# Altium PCB BE200.PcbDoc (part 2 of 6)
Units mm, origin at the board's own origin, x right, y up, seen from the top; angles counter-clockwise.
Board outline 91.25 x 134.75 mm, 4 copper layers (Top Layer, Mid-Top Layer, Mid-Bottom Layer, Bottom Layer); 574 components, 120 nets, 2403 pads, 3712 vias.
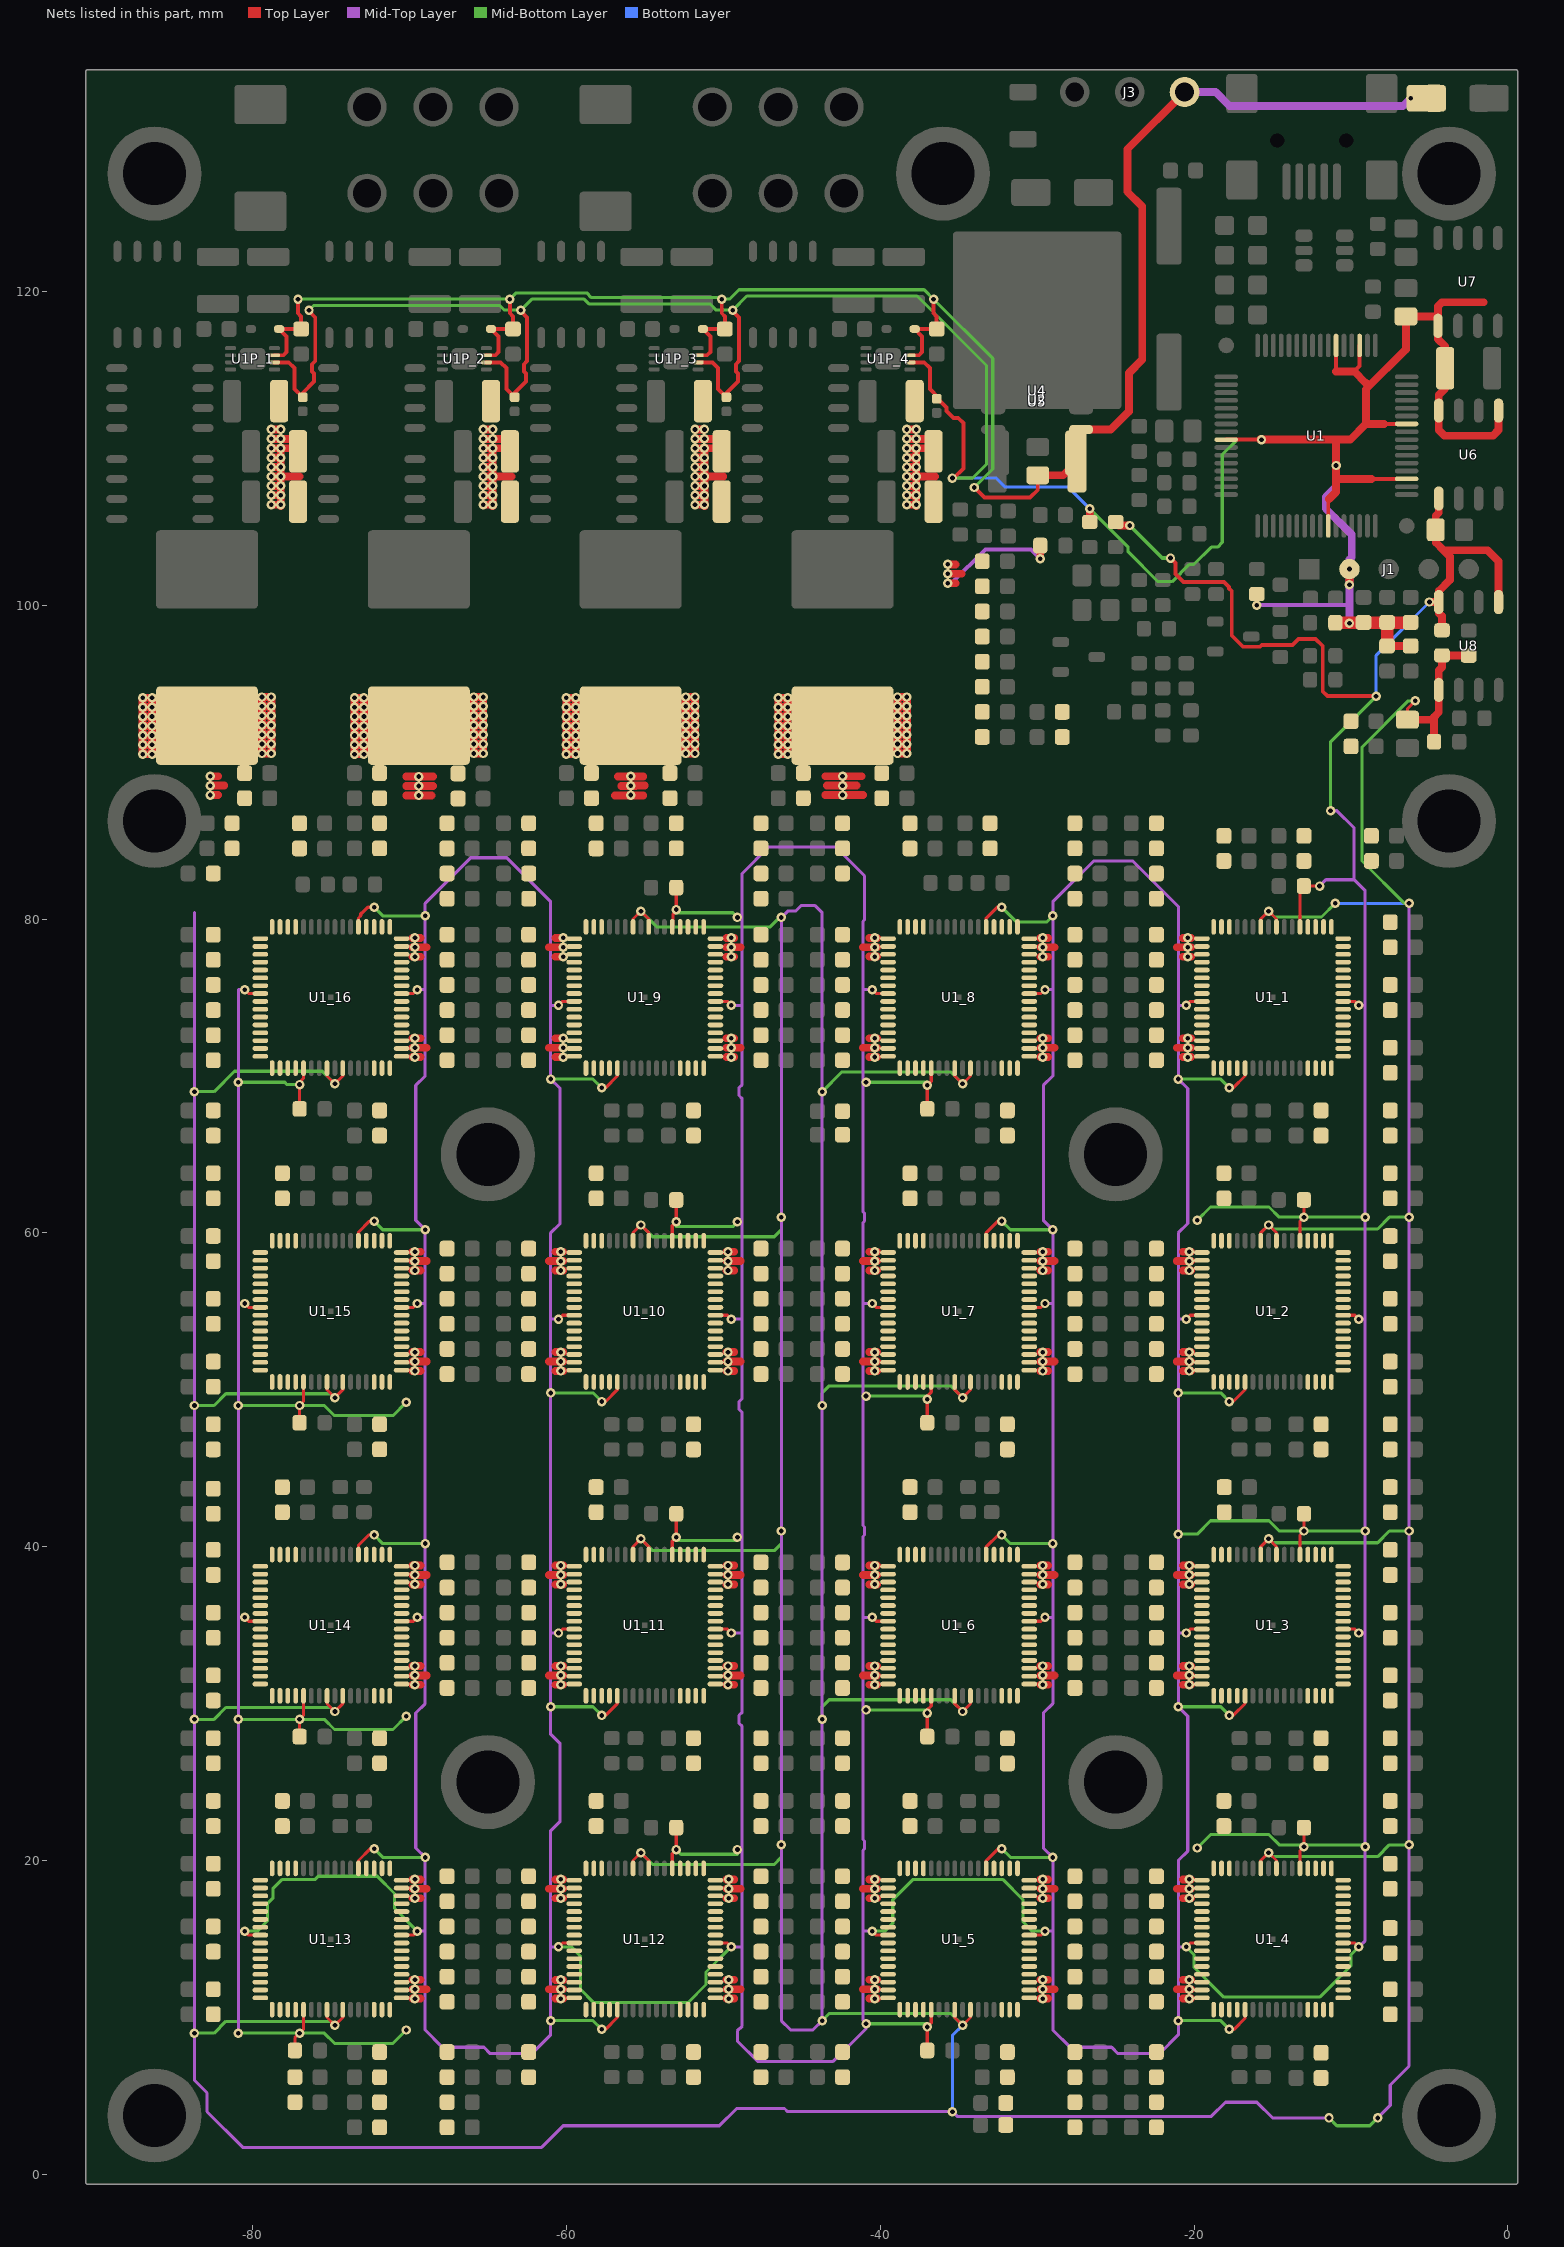
[diagram p4: the nets of this part, all layers, seen from the top]

## Part data
C1 C1P_1 C1P_2 C1P_3 C1P_4 C2 C2P_1 C2P_2 C2P_3 C2P_4 C3 C3P_1 C3P_2 C3P_3 C3P_4 C4 C7 C8 C9 C10 C11 C12 C13 C14 C15 C17 C25 C26: library part CAP, "Capacitor"
C1_1 C1_2 C1_3 C1_4 C1_5 C1_6 C1_7 C1_8 C1_9 C1_10 C1_11 C1_12 C1_13 C1_14 C1_15 C1_16 C2_1 C2_2 C2_3 C2_4 C2_5 C2_6 C2_7 C2_8 C2_9 C2_10 C2_11 C2_12 C2_13 C2_14 C2_15 C2_16 C3_1 C3_2 C3_3 C3_4 C3_5 C3_6 C3_7 C3_8 C3_9 C3_10 C3_11 C3_12 C3_13 C3_14 C3_15 C3_16 C4_1 C4_2 C4_3 C4_4 C4_5 C4_6 C4_7 C4_8 C4_9 C4_10 C4_11 C4_12 C4_13 C4_14 C4_15 C4_16 C5_1 C5_2 C5_3 C5_4 C5_5 C5_6 C5_7 C5_8 C5_9 C5_10 C5_11 C5_12 C5_13 C5_14 C5_15 C5_16 C6_1 C6_2 C6_3 C6_4 C6_5 C6_6 C6_7 C6_8 C6_9 C6_10 C6_11 C6_12 C6_13 C6_14 C6_15 C6_16 C7_1 C7_2 C7_3 C7_4 C7_5 C7_6 C7_7 C7_8 C7_9 C7_10 C7_11 C7_12 C7_13 C7_14 C7_15 C7_16 C8_1 C8_2 C8_3 C8_4 C8_5 C8_6 C8_7 C8_8 C8_9 C8_10 C8_11 C8_12 C8_13 C8_14 C8_15 C8_16 C9_1 C9_2 C9_3 C9_4 C9_5 C9_6 C9_7 C9_8 C9_9 C9_10 C9_11 C9_12 C9_13 C9_14 C9_15 C9_16 C10_1 C10_2 C10_3 C10_4 C10_5 C10_6 C10_7 C10_8 C10_9 C10_10 C10_11 C10_12 C10_13 C10_14 C10_15 C10_16 C11_1 C11_2 C11_3 C11_4 C11_5 C11_6 C11_7 C11_8 C11_9 C11_10 C11_11 C11_12 C11_13 C11_14 C11_15 C11_16 C12_1 C12_2 C12_3 C12_4 C12_5 C12_6 C12_7 C12_8 C12_9 C12_10 C12_11 C12_12 C12_13 C12_14 C12_15 C12_16 C13_1 C13_2 C13_3 C13_4 C13_5 C13_6 C13_7 C13_8 C13_9 C13_10 C13_11 C13_12 C13_13 C13_14 C13_15 C13_16 C14_1 C14_2 C14_3 C14_4 C14_5 C14_6 C14_7 C14_8 C14_9 C14_10 C14_11 C14_12 C14_13 C14_14 C14_15 C14_16 C15_1 C15_2 C15_3 C15_4 C15_5 C15_6 C15_7 C15_8 C15_9 C15_10 C15_11 C15_12 C15_13 C15_14 C15_15 C15_16 C16_1 C16_2 C16_3 C16_4 C16_5 C16_6 C16_7 C16_8 C16_9 C16_10 C16_11 C16_12 C16_13 C16_14 C16_15 C16_16 CPP_1 CPP_2 CPP_3 CPP_4 CPP_5 CPP_6 CPP_7 CPP_8 CPP_9 CPP_10 CPP_11 CPP_12 CPP_13 CPP_14 CPP_15 CPP_16 CPP_17 CPP_18 CPP_19 CPP_20 CPP_21 CPP_22 CPP_23 CPP_24 CPP_25 CPP_26 CPP_27 CPP_28 CPP_29 CPP_30 CPP_31 CPP_32 CPP_33 CPP_34 CPP_35 CPP_36 CPP_37 CPP_38 CPP_39 CPP_40 CPP_41 CPP_42 CPP_43 CPP_44 CPP_45 CPP_46 CPP_47 CPP_48 CPP_49 CPP_50 CPP_51 CPP_52 CPP_53 CPP_54 CPP_55 CPP_56 CPP_57 CPP_58 CPP_59 CPP_60 CPP_61 CPP_62 CPP_63 CPP_64 CPP_65 CPP_66 CPP_67 CPP_68 CPP_69 CPP_70 CPP_71 CPP_72 CPP_73 CPP_74 CPP_75 CPP_76 CPP_77 CPP_78 CPP_79 CPP_80 CPP_81 CPP_82 CPP_83 CPP_84 CPP_85 CPP_86 CPP_87 CPP_88 CPP_89 CPP_90 CPP_91 CPP_92 CPP_93 CPP_94 CPP_95 CPP_96 CPP_97 CPP_98 CPP_99 CPP_100 CPP_101 CPP_102 CPP_103 CPP_104 CPP_105 CPP_106 CPP_107 CPP_108 CPP_109 CPP_110 CPP_111 CPP_112 CPP_113 CPP_114 CPP_115 CPP_116 CPP_117 CPP_118 CPP_119 CPP_120: library part "Cap Semi", "Capacitor (Semiconductor SIM Model)"
C4P_1 C4P_2 C4P_3 C4P_4 C5P_1 C5P_2 C5P_3 C5P_4 C6P_1 C6P_2 C6P_3 C6P_4 C7P_1 C7P_2 C7P_3 C7P_4 C8P_1 C8P_2 C8P_3 C8P_4 C16: library part "Cap Semi", "CL32A227MQVNNNE 220UF 6.3V 20% X5R 1210"
D1 D2 D3 D4: library part LED_2
D1P_1 D1P_2 D1P_3 D1P_4: library part DDE000001203
D5: library part D_TVS_QUAD_C1AA2AA5C3C4C6, "4 IO lines TVS"
D6 D10: library part DDE000001725
D7 D8 D9: library part D_STKY
J1: library part CON5, "Connector"
J2: library part CON_USB_MINI_1
J4 J5: library part CON000000279
L1P_1 L1P_2 L1P_3 L1P_4: library part L
Q1 Q2: library part BJT_NPN_B1E2C3
Q1P_1 Q1P_2 Q1P_3 Q1P_4 Q2P_1 Q2P_2 Q2P_3 Q2P_4 Q3P_1 Q3P_2 Q3P_3 Q3P_4: library part MOS_N_D1_S1S2S3G4D5D6D7D8
R1 R1_1 R1_2 R1_3 R1_4 R1_5 R1_6 R1_7 R1_8 R1_9 R1_10 R1_11 R1_12 R1_13 R1_14 R1_15 R1_16 R2 R3 R4 R5 R6 R7 R8 R9 R10 R11 R12 R13 R14 R15 R16 R17 R18 R19 R20 R21 R22 R23 R24 R25 R26 R27 R28 R29 R30 R31 R32 R33 R34 R35 R36 R37 R38 R39 R40 R41 R42 R43 R44 R45 R46 R47 R48 R49 R50 R51 R52 R53 R54 R55 R56 R57 R58 R59 R60 R61 R62 R63 R64 R65 R66 R67: library part Res3, "Resistor"
U1P_1 U1P_2 U1P_3 U1P_4: library part DRVFET_LTC4442, "Mosfet 12V Dual Bootstrapped PWM Sync Buck Optimised"
U2 U6 U7: library part IC_LM2931AD-5.0R2G_SO-8
U4 U5: library part IC_Vout1GND2Vin3
U8: library part PSU000000128
Y1: library part CRYSTAL, "Crystal"
YO4_1: library part XTAL_OE1GND2OSC3VDD4

## Free pads (board coordinates)
  round 6 / inner round 4.5 / far side round 6 hole 4: 0(-86.25,3.75) 0(-86.25,86.25) 0(-86.25,127.5) 0(-65,25) 0(-65,65) 0(-36,127.5) 0(-25,25) 0(-25,65) 0(-3.75,127.5) 0(-3.75,3.75) 0(-3.75,86.25)
  round 1 on Mid2: 0(-75,15) 0(-75,35) 0(-75,55) 0(-75,75) 0(-55,15) 0(-55,35) 0(-55,55) 0(-55,75) 0(-35,15) 0(-35,35) 0(-35,55) 0(-35,75) 0(-15,15) 0(-15,35) 0(-15,55) 0(-15,75)
  round 0.6 smd: 0(-3.75,127.5)

## Via types
v1: diameter 0.6, hole 0.3, Top Layer to Bottom Layer, tented both sides, 3679 vias
v2: diameter 0.6/0.6/0.6/0.6 (per signal layer), hole 0.3, Top Layer to Bottom Layer, 33 vias

## Nets (pads, with @x,y where several pads share a name; then routed paths per layer and width w, separated by ;. In a path a pad name is that pad's centre, name@x,y a point inside that pad or via, vN(x,y) a via of type N, cw(c..) or ccw(c..) an arc to the next point about the centre after c; other vN are vias at no path point)
0.8V: C1_1.2 C1_2.2 C1_3.2 C1_4.2 C1_5.2 C1_6.2 C1_7.2 C1_8.2 C1_9.2 C1_10.2 C1_11.2 C1_12.2 C1_13.2 C1_14.2 C1_15.2 C1_16.2 C2_1.2 C2_2.2 C2_3.2 C2_4.2 C2_5.2 C2_6.2 C2_7.2 C2_8.2 C2_9.2 C2_10.2 C2_11.2 C2_12.2 C2_13.2 C2_14.2 C2_15.2 C2_16.2 C3_1.2 C3_2.2 C3_3.2 C3_4.2 C3_5.2 C3_6.2 C3_7.2 C3_8.2 C3_9.2 C3_10.2 C3_11.2 C3_12.2 C3_13.2 C3_14.2 C3_15.2 C3_16.2 C4_1.2 C4_2.2 C4_3.2 C4_4.2 C4_5.2 C4_6.2 C4_7.2 C4_8.2 C4_9.2 C4_10.2 C4_11.2 C4_12.2 C4_13.2 C4_14.2 C4_15.2 C4_16.2 C5_1.2 C5_2.2 C5_3.2 C5_4.2 C5_5.2 C5_6.2 C5_7.2 C5_8.2 C5_9.2 C5_10.2 C5_11.2 C5_12.2 C5_13.2 C5_14.2 C5_15.2 C5_16.2 C6_1.2 C6_2.2 C6_3.2 C6_4.2 C6_5.2 C6_6.2 C6_7.2 C6_8.2 C6_9.2 C6_10.2 C6_11.2 C6_12.2 C6_13.2 C6_14.2 C6_15.2 C6_16.2 C6P_1.1 C6P_2.1 C6P_3.1 C6P_4.1 C7_1.2 C7_2.2 C7_3.2 C7_4.2 C7_5.2 C7_6.2 C7_7.2 C7_8.2 C7_9.2 C7_10.2 C7_11.2 C7_12.2 C7_13.2 C7_14.2 C7_15.2 C7_16.2 C7P_1.1 C7P_2.1 C7P_3.1 C7P_4.1 C8_1.2 C8_2.2 C8_3.2 C8_4.2 C8_5.2 C8_6.2 C8_7.2 C8_8.2 C8_9.2 C8_10.2 C8_11.2 C8_12.2 C8_13.2 C8_14.2 C8_15.2 C8_16.2 C8P_1.1 C8P_2.1 C8P_3.1 C8P_4.1 C9_1.2 C9_2.2 C9_3.2 C9_4.2 C9_5.2 C9_6.2 C9_7.2 C9_8.2 C9_9.2 C9_10.2 C9_11.2 C9_12.2 C9_13.2 C9_14.2 C9_15.2 C9_16.2 C10_1.2 C10_2.2 C10_3.2 C10_4.2 C10_5.2 C10_6.2 C10_7.2 C10_8.2 C10_9.2 C10_10.2 C10_11.2 C10_12.2 C10_13.2 C10_14.2 C10_15.2 C10_16.2 C11_1.2 C11_2.2 C11_3.2 C11_4.2 C11_5.2 C11_6.2 C11_7.2 C11_8.2 C11_9.2 C11_10.2 C11_11.2 C11_12.2 C11_13.2 C11_14.2 C11_15.2 C11_16.2 C12_1.2 C12_2.2 C12_3.2 C12_4.2 C12_5.2 C12_6.2 C12_7.2 C12_8.2 C12_9.2 C12_10.2 C12_11.2 C12_12.2 C12_13.2 C12_14.2 C12_15.2 C12_16.2 C13_1.2 C13_2.2 C13_3.2 C13_4.2 C13_5.2 C13_6.2 C13_7.2 C13_8.2 C13_9.2 C13_10.2 C13_11.2 C13_12.2 C13_13.2 C13_14.2 C13_15.2 C13_16.2 C14_1.2 C14_2.2 C14_3.2 C14_4.2 C14_5.2 C14_6.2 C14_7.2 C14_8.2 C14_9.2 C14_10.2 C14_11.2 C14_12.2 C14_13.2 C14_14.2 C14_15.2 C14_16.2 C15_1.2 C15_2.2 C15_3.2 C15_4.2 C15_5.2 C15_6.2 C15_7.2 C15_8.2 C15_9.2 C15_10.2 C15_11.2 C15_12.2 C15_13.2 C15_14.2 C15_15.2 C15_16.2 C16_1.2 C16_2.2 C16_3.2 C16_4.2 C16_5.2 C16_6.2 C16_7.2 C16_8.2 C16_9.2 C16_10.2 C16_11.2 C16_12.2 C16_13.2 C16_14.2 C16_15.2 C16_16.2 CPP_1.2 CPP_2.2 CPP_3.2 CPP_4.2 CPP_5.2 CPP_6.2 CPP_7.2 CPP_8.2 CPP_9.2 CPP_10.2 CPP_11.2 CPP_12.2 CPP_13.2 CPP_14.2 CPP_15.2 CPP_16.2 CPP_17.2 CPP_18.2 CPP_19.2 CPP_20.2 CPP_21.2 CPP_22.2 CPP_23.2 CPP_24.2 CPP_25.2 CPP_26.2 CPP_27.2 CPP_28.2 CPP_29.2 CPP_30.2 CPP_31.2 CPP_32.2 CPP_33.2 CPP_34.2 CPP_35.2 CPP_36.2 CPP_37.2 CPP_38.2 CPP_39.2 CPP_40.2 CPP_41.2 CPP_42.2 CPP_43.2 CPP_44.2 CPP_45.2 CPP_46.2 CPP_47.2 CPP_48.2 CPP_49.2 CPP_50.2 CPP_51.2 CPP_52.2 CPP_53.2 CPP_54.2 CPP_55.2 CPP_56.2 CPP_57.2 CPP_58.2 CPP_59.2 CPP_60.2 CPP_61.2 CPP_62.2 CPP_63.2 CPP_64.2 CPP_65.2 CPP_66.2 CPP_67.2 CPP_68.2 CPP_69.2 CPP_70.2 CPP_71.2 CPP_72.2 CPP_73.2 CPP_74.2 CPP_75.2 CPP_76.2 CPP_77.2 CPP_78.2 CPP_79.2 CPP_80.2 CPP_81.2 CPP_82.2 CPP_83.2 CPP_84.2 CPP_85.2 CPP_86.2 CPP_87.2 CPP_88.2 CPP_89.2 CPP_90.2 CPP_91.2 CPP_92.2 CPP_93.2 CPP_94.2 CPP_95.2 CPP_96.2 CPP_97.2 CPP_98.2 CPP_99.2 CPP_100.2 CPP_101.2 CPP_102.2 CPP_103.2 CPP_104.2 CPP_105.2 CPP_106.2 CPP_107.2 CPP_108.2 CPP_109.2 CPP_110.2 CPP_111.2 CPP_112.2 CPP_113.2 CPP_114.2 CPP_115.2 CPP_116.2 CPP_117.2 CPP_118.2 CPP_119.2 CPP_120.2 L1P_1.2 L1P_2.2 L1P_3.2 L1P_4.2 R18.2 U1_1.1 U1_1.2 U1_1.3 U1_1.4 U1_1.14 U1_1.15 U1_1.16 U1_1.17 U1_1.18 U1_1.19 U1_1.20 U1_1.21 U1_1.22 U1_1.23 U1_1.24 U1_1.26 U1_1.27 U1_1.28 U1_1.29 U1_1.30 U1_1.31 U1_1.32 U1_1.33 U1_1.34 U1_1.35 U1_1.36 U1_1.45 U1_1.46 U1_1.47 U1_1.48 U1_1.49 U1_1.50 U1_1.51 U1_1.52 U1_1.53 U1_1.54 U1_1.55 U1_1.57 U1_1.58 U1_1.59 U1_1.60 U1_1.61 U1_1.62 U1_1.63 U1_1.64 U1_2.1 U1_2.2 U1_2.3 U1_2.4 U1_2.14 U1_2.15 U1_2.16 U1_2.17 U1_2.18 U1_2.19 U1_2.20 U1_2.21 U1_2.22 U1_2.23 U1_2.24 U1_2.26 U1_2.27 U1_2.28 U1_2.29 U1_2.30 U1_2.31 U1_2.32 U1_2.33 U1_2.34 U1_2.35 U1_2.36 U1_2.45 U1_2.46 U1_2.47 U1_2.48 U1_2.49 U1_2.50 U1_2.51 U1_2.52 U1_2.53 U1_2.54 U1_2.55 U1_2.57 U1_2.58 U1_2.59 U1_2.60 U1_2.61 U1_2.62 U1_2.63 U1_2.64 U1_3.1 U1_3.2 U1_3.3 U1_3.4 U1_3.14 U1_3.15 U1_3.16 U1_3.17 U1_3.18 U1_3.19 U1_3.20 U1_3.21 U1_3.22 U1_3.23 U1_3.24 U1_3.26 U1_3.27 U1_3.28 U1_3.29 U1_3.30 U1_3.31 U1_3.32 U1_3.33 U1_3.34 U1_3.35 U1_3.36 U1_3.45 U1_3.46 U1_3.47 U1_3.48 U1_3.49 U1_3.50 U1_3.51 U1_3.52 U1_3.53 U1_3.54 U1_3.55 U1_3.57 U1_3.58 U1_3.59 U1_3.60 U1_3.61 U1_3.62 U1_3.63 U1_3.64 U1_4.1 U1_4.2 U1_4.3 U1_4.4 U1_4.14 U1_4.15 U1_4.16 U1_4.17 U1_4.18 U1_4.19 U1_4.20 U1_4.21 U1_4.22 U1_4.23 U1_4.24 U1_4.26 U1_4.27 U1_4.28 U1_4.29 U1_4.30 U1_4.31 U1_4.32 U1_4.33 U1_4.34 U1_4.35 U1_4.36 U1_4.45 U1_4.46 U1_4.47 U1_4.48 U1_4.49 U1_4.50 U1_4.51 U1_4.52 U1_4.53 U1_4.54 U1_4.55 U1_4.57 U1_4.58 U1_4.59 U1_4.60 U1_4.61 U1_4.62 U1_4.63 U1_4.64 U1_5.1 U1_5.2 U1_5.3 U1_5.4 U1_5.14 U1_5.15 U1_5.16 U1_5.17 U1_5.18 U1_5.19 U1_5.20 U1_5.21 U1_5.22 U1_5.23 U1_5.24 U1_5.26 U1_5.27 U1_5.28 U1_5.29 U1_5.30 U1_5.31 U1_5.32 U1_5.33 U1_5.34 U1_5.35 U1_5.36 U1_5.45 U1_5.46 U1_5.47 U1_5.48 U1_5.49 U1_5.50 U1_5.51 U1_5.52 U1_5.53 U1_5.54 U1_5.55 U1_5.57 U1_5.58 U1_5.59 U1_5.60 U1_5.61 U1_5.62 U1_5.63 U1_5.64 U1_6.1 U1_6.2 U1_6.3 U1_6.4 U1_6.14 U1_6.15 U1_6.16 U1_6.17 U1_6.18 U1_6.19 U1_6.20 U1_6.21 U1_6.22 U1_6.23 U1_6.24 U1_6.26 U1_6.27 U1_6.28 U1_6.29 U1_6.30 U1_6.31 U1_6.32 U1_6.33 U1_6.34 U1_6.35 U1_6.36 U1_6.45 U1_6.46 U1_6.47 U1_6.48 U1_6.49 U1_6.50 U1_6.51 U1_6.52 U1_6.53 U1_6.54 U1_6.55 U1_6.57 U1_6.58 U1_6.59 U1_6.60 U1_6.61 U1_6.62 U1_6.63 U1_6.64 U1_7.1 U1_7.2 U1_7.3 U1_7.4 U1_7.14 U1_7.15 U1_7.16 U1_7.17 U1_7.18 U1_7.19 U1_7.20 U1_7.21 U1_7.22 U1_7.23 U1_7.24 U1_7.26 U1_7.27 U1_7.28 U1_7.29 U1_7.30 U1_7.31 U1_7.32 U1_7.33 U1_7.34 U1_7.35 U1_7.36 U1_7.45 U1_7.46 U1_7.47 U1_7.48 U1_7.49 U1_7.50 U1_7.51 U1_7.52 U1_7.53 U1_7.54 U1_7.55 U1_7.57 U1_7.58 U1_7.59 U1_7.60 U1_7.61 U1_7.62 U1_7.63 U1_7.64 U1_8.1 U1_8.2 U1_8.3 U1_8.4 U1_8.14 U1_8.15 U1_8.16 U1_8.17 U1_8.18 U1_8.19 U1_8.20 U1_8.21 U1_8.22 U1_8.23 U1_8.24 U1_8.26 U1_8.27 U1_8.28 U1_8.29 U1_8.30 U1_8.31 U1_8.32 U1_8.33 U1_8.34 U1_8.35 U1_8.36 U1_8.45 U1_8.46 U1_8.47 U1_8.48 U1_8.49 U1_8.50 U1_8.51 U1_8.52 U1_8.53 U1_8.54 U1_8.55 U1_8.57 U1_8.58 U1_8.59 U1_8.60 U1_8.61 U1_8.62 U1_8.63 U1_8.64 U1_9.1 U1_9.2 U1_9.3 U1_9.4 U1_9.14 U1_9.15 U1_9.16 U1_9.17 U1_9.18 U1_9.19 U1_9.20 U1_9.21 U1_9.22 U1_9.23 U1_9.24 U1_9.26 U1_9.27 U1_9.28 U1_9.29 U1_9.30 U1_9.31 U1_9.32 U1_9.33 U1_9.34 U1_9.35 U1_9.36 U1_9.45 U1_9.46 U1_9.47 U1_9.48 U1_9.49 U1_9.50 U1_9.51 U1_9.52 U1_9.53 U1_9.54 U1_9.55 U1_9.57 U1_9.58 U1_9.59 U1_9.60 U1_9.61 U1_9.62 U1_9.63 U1_9.64 U1_10.1 U1_10.2 U1_10.3 U1_10.4 U1_10.14 U1_10.15 U1_10.16 U1_10.17 U1_10.18 U1_10.19 U1_10.20 U1_10.21 U1_10.22 U1_10.23 U1_10.24 U1_10.26 U1_10.27 U1_10.28 U1_10.29 U1_10.30 U1_10.31 U1_10.32 U1_10.33 U1_10.34 U1_10.35 U1_10.36 U1_10.45 U1_10.46 U1_10.47 U1_10.48 U1_10.49 U1_10.50 U1_10.51 U1_10.52 U1_10.53 U1_10.54 U1_10.55 U1_10.57 U1_10.58 U1_10.59 U1_10.60 U1_10.61 U1_10.62 U1_10.63 U1_10.64 U1_11.1 U1_11.2 U1_11.3 U1_11.4 U1_11.14 U1_11.15 U1_11.16 U1_11.17 U1_11.18 U1_11.19 U1_11.20 U1_11.21 U1_11.22 U1_11.23 U1_11.24 U1_11.26 U1_11.27 U1_11.28 U1_11.29 U1_11.30 U1_11.31 U1_11.32 U1_11.33 U1_11.34 U1_11.35 U1_11.36 U1_11.45 U1_11.46 U1_11.47 U1_11.48 U1_11.49 U1_11.50 U1_11.51 U1_11.52 U1_11.53 U1_11.54 U1_11.55 U1_11.57 U1_11.58 U1_11.59 U1_11.60 U1_11.61 U1_11.62 U1_11.63 U1_11.64 U1_12.1 U1_12.2 U1_12.3 U1_12.4 U1_12.14 U1_12.15 U1_12.16 U1_12.17 U1_12.18 U1_12.19 U1_12.20 U1_12.21 U1_12.22 U1_12.23 U1_12.24 U1_12.26 U1_12.27 U1_12.28 U1_12.29 U1_12.30 U1_12.31 U1_12.32 U1_12.33 U1_12.34 U1_12.35 U1_12.36 U1_12.45 U1_12.46 U1_12.47 U1_12.48 U1_12.49 U1_12.50 U1_12.51 U1_12.52 U1_12.53 U1_12.54 U1_12.55 U1_12.57 U1_12.58 U1_12.59 U1_12.60 U1_12.61 U1_12.62 U1_12.63 U1_12.64 U1_13.1 U1_13.2 U1_13.3 U1_13.4 U1_13.14 U1_13.15 U1_13.16 U1_13.17 U1_13.18 U1_13.19 U1_13.20 U1_13.21 U1_13.22 U1_13.23 U1_13.24 U1_13.26 U1_13.27 U1_13.28 U1_13.29 U1_13.30 U1_13.31 U1_13.32 U1_13.33 U1_13.34 U1_13.35 U1_13.36 U1_13.45 U1_13.46 U1_13.47 U1_13.48 U1_13.49 U1_13.50 U1_13.51 U1_13.52 U1_13.53 U1_13.54 U1_13.55 U1_13.57 U1_13.58 U1_13.59 U1_13.60 U1_13.61 U1_13.62 U1_13.63 U1_13.64 U1_14.1 U1_14.2 U1_14.3 U1_14.4 U1_14.14 U1_14.15 U1_14.16 U1_14.17 U1_14.18 U1_14.19 U1_14.20 U1_14.21 U1_14.22 U1_14.23 U1_14.24 U1_14.26 U1_14.27 U1_14.28 U1_14.29 U1_14.30 U1_14.31 U1_14.32 U1_14.33 U1_14.34 U1_14.35 U1_14.36 U1_14.45 U1_14.46 U1_14.47 U1_14.48 U1_14.49 U1_14.50 U1_14.51 U1_14.52 U1_14.53 U1_14.54 U1_14.55 U1_14.57 U1_14.58 U1_14.59 U1_14.60 U1_14.61 U1_14.62 U1_14.63 U1_14.64 U1_15.1 U1_15.2 U1_15.3 U1_15.4 U1_15.14 U1_15.15 U1_15.16 U1_15.17 U1_15.18 U1_15.19 U1_15.20 U1_15.21 U1_15.22 U1_15.23 U1_15.24 U1_15.26 U1_15.27 U1_15.28 U1_15.29 U1_15.30 U1_15.31 U1_15.32 U1_15.33 U1_15.34 U1_15.35 U1_15.36 U1_15.45 U1_15.46 U1_15.47 U1_15.48 U1_15.49 U1_15.50 U1_15.51 U1_15.52 U1_15.53 U1_15.54 U1_15.55 U1_15.57 U1_15.58 U1_15.59 U1_15.60 U1_15.61 U1_15.62 U1_15.63 U1_15.64 U1_16.1 U1_16.2 U1_16.3 U1_16.4 U1_16.14 U1_16.15 U1_16.16 U1_16.17 U1_16.18 U1_16.19 U1_16.20 U1_16.21 U1_16.22 U1_16.23 U1_16.24 U1_16.26 U1_16.27 U1_16.28 U1_16.29 U1_16.30 U1_16.31 U1_16.32 U1_16.33 U1_16.34 U1_16.35 U1_16.36 U1_16.45 U1_16.46 U1_16.47 U1_16.48 U1_16.49 U1_16.50 U1_16.51 U1_16.52 U1_16.53 U1_16.54 U1_16.55 U1_16.57 U1_16.58 U1_16.59 U1_16.60 U1_16.61 U1_16.62 U1_16.63 U1_16.64 | length 312.2
  Top Layer w0.2: v1(-86.4,94.1) -85.8,93.5 -84.625,92.325 L1P_1.2@-82.9,92.325 -81.175,92.325 -80,91.15 v1(-79.4,90.55) ; v1(-72.9,94.1) -72.3,93.5 -71.125,92.325 L1P_2.2@-69.4,92.325 -67.675,92.325 -66.5,91.15 v1(-65.9,90.55) ; v1(-59.4,94.1) -58.8,93.5 -57.625,92.325 L1P_3.2@-55.9,92.325 -54.175,92.325 -53,91.15 v1(-52.4,90.55) ; v1(-45.9,94.1) -45.3,93.5 -44.125,92.325 L1P_4.2@-42.4,92.325 -40.675,92.325 -39.5,91.15 v1(-38.9,90.55)
  Top Layer w0.5: v1(-87,91.1) v1(-86.4,91.1) L1P_1.2@-85.4,91.1 ; v1(-87,91.7) v1(-86.4,91.7) ; v1(-87,92.3) v1(-86.4,92.3) ; v1(-87,92.9) v1(-86.4,92.9) ; v1(-87,93.5) v1(-86.4,93.5) ; L1P_1.2@-85.2,93.5 -85.8,93.5 v1(-86.4,93.5) ; v1(-82.7,87.9) -82.2,87.9 ; v1(-82.7,88.5) -81.8,88.5 ; v1(-82.7,89.1) -82.2,89.1 ; L1P_1.2@-80.6,91.15 -80,91.15 v1(-79.4,91.15) ; L1P_1.2@-80.4,93.55 v1(-79.4,93.55) v1(-78.8,93.55) ; v1(-78.8,91.15) v1(-79.4,91.15) ; v1(-78.8,91.75) v1(-79.4,91.75) ; v1(-78.8,92.35) v1(-79.4,92.35) ; v1(-78.8,92.95) v1(-79.4,92.95) ; v1(-78.8,106.4) v1(-78.2,106.4) ; v1(-78.8,107) v1(-78.2,107) ; v1(-78.8,107.6) v1(-78.2,107.6) ; v1(-78.8,108.2) -77,108.2 ; v1(-78.8,108.8) v1(-78.2,108.8) ; v1(-78.8,109.4) v1(-78.2,109.4) ; v1(-78.8,110) v1(-78.2,110) ; v1(-78.8,110.6) C6P_1.1@-77,110.6 ; v1(-78.8,111.2) v1(-78.2,111.2) ; v1@-78.2,106.3 v1(-78.2,110) ; C6P_1.1@-77.2,110 v1(-78.2,110) ; v1(-73.5,91.1) v1(-72.9,91.1) L1P_2.2@-71.9,91.1 ; v1(-73.5,91.7) v1(-72.9,91.7) ; v1(-73.5,92.3) v1(-72.9,92.3) ; v1(-73.5,92.9) v1(-72.9,92.9) ; v1(-73.5,93.5) v1(-72.9,93.5) ; L1P_2.2@-71.7,93.5 -72.3,93.5 v1(-72.9,93.5) ; -70.2,87.877 -68.6,87.877 ; -70.2,88.477 v1(-69.4,88.477) -68.5,88.477 ; -70.2,89.077 -68.5,89.077 ; v1@-69.8,11.2 -69.3,11.2 ; v1@-69.8,11.8 -68.9,11.8 ; v1@-69.8,12.4 -69.3,12.4 ; v1@-69.8,17.6 -69.3,17.6 ; v1@-69.8,18.2 -68.9,18.2 ; v1@-69.8,18.8 -69.3,18.8 ; v1@-69.8,31.2 -69.3,31.2 ; v1@-69.8,31.8 -68.9,31.8 ; v1@-69.8,32.4 -69.3,32.4 ; v1@-69.8,37.6 -69.3,37.6 ; v1@-69.8,38.2 -68.9,38.2 ; v1@-69.8,38.8 -69.3,38.8 ; v1@-69.8,51.2 -69.3,51.2 ; v1@-69.8,51.8 -68.9,51.8 ; v1@-69.8,52.4 -69.3,52.4 ; v1@-69.8,57.6 -69.3,57.6 ; v1@-69.8,58.2 -68.9,58.2 ; v1@-69.8,58.8 -69.3,58.8 ; v1@-69.8,71.2 -69.3,71.2 ; v1@-69.8,71.8 -68.9,71.8 ; v1@-69.8,72.4 -69.3,72.4 ; v1@-69.8,77.6 -69.3,77.6 ; v1@-69.8,78.2 -68.9,78.2 ; v1@-69.8,78.8 -69.3,78.8 ; L1P_2.2@-67.1,91.15 -66.5,91.15 v1(-65.9,91.15) ; L1P_2.2@-66.9,93.55 v1(-65.9,93.55) v1(-65.3,93.55) ; v1(-65.3,91.15) v1(-65.9,91.15) ; v1(-65.3,91.75) v1(-65.9,91.75) ; v1(-65.3,92.35) v1(-65.9,92.35) ; v1(-65.3,92.95) v1(-65.9,92.95) ; v1(-65.3,106.4) v1(-64.7,106.4) ; v1(-65.3,107) v1(-64.7,107) ; v1(-65.3,107.6) v1(-64.7,107.6) ; v1(-65.3,108.2) -63.5,108.2 ; v1(-65.3,108.8) v1(-64.7,108.8) ; v1(-65.3,109.4) v1(-64.7,109.4) ; v1(-65.3,110) v1(-64.7,110) ; v1(-65.3,110.6) C8P_2.1@-63.5,110.6 ; v1(-65.3,111.2) v1(-64.7,111.2) ; v1@-64.7,106.3 v1(-64.7,110) ; C8P_2.1@-63.7,110 v1(-64.7,110) ; -61.1,11.8 v1@-60.2,11.8 ; -61.1,18.2 v1@-60.2,18.2 ; -61.1,31.8 v1@-60.2,31.8 ; -61.1,38.2 v1@-60.2,38.2 ; -61.1,51.8 v1@-60.2,51.8 ; -61.1,58.2 v1@-60.2,58.2 ; -61.1,71.8 v1(-60.2,71.8) ; -61.1,78.2 v1(-60.2,78.2) ; -60.7,11.2 v1@-60.2,11.2 ; -60.7,12.4 v1@-60.2,12.4 ; -60.7,17.6 v1@-60.2,17.6 ; -60.7,18.8 v1@-60.2,18.8 ; -60.7,31.2 v1@-60.2,31.2 ; -60.7,32.4 v1@-60.2,32.4 ; -60.7,37.6 v1@-60.2,37.6 ; -60.7,38.8 v1@-60.2,38.8 ; -60.7,51.2 v1@-60.2,51.2 ; -60.7,52.4 v1@-60.2,52.4 ; -60.7,57.6 v1@-60.2,57.6 ; -60.7,58.8 v1@-60.2,58.8 ; -60.7,71.2 v1(-60.2,71.2) ; -60.7,72.4 v1(-60.2,72.4) ; -60.7,77.6 v1(-60.2,77.6) ; -60.7,78.8 v1(-60.2,78.8) ; v1(-60,91.1) v1(-59.4,91.1) L1P_3.2@-58.4,91.1 ; v1(-60,91.7) v1(-59.4,91.7) ; v1(-60,92.3) v1(-59.4,92.3) ; v1(-60,92.9) v1(-59.4,92.9) ; v1(-60,93.5) v1(-59.4,93.5) ; L1P_3.2@-58.2,93.5 -58.8,93.5 v1(-59.4,93.5) ; -56.9,87.876 -55.101,87.876 ; -56.7,89.076 -55.101,89.076 ; -56.501,88.476 -55.601,88.476 ; v1(-55.901,88.5) -55.001,88.5 ; L1P_3.2@-53.6,91.15 -53,91.15 v1(-52.4,91.15) ; L1P_3.2@-53.4,93.55 v1(-52.4,93.55) v1(-51.8,93.55) ; v1(-51.8,91.15) v1(-52.4,91.15) ; v1(-51.8,91.75) v1(-52.4,91.75) ; v1(-51.8,92.35) v1(-52.4,92.35) ; v1(-51.8,92.95) v1(-52.4,92.95) ; v1(-51.8,106.4) v1(-51.2,106.4) ; v1(-51.8,107) v1(-51.2,107) ; v1(-51.8,107.6) v1(-51.2,107.6) ; v1(-51.8,108.2) -50,108.2 ; v1(-51.8,108.8) v1(-51.2,108.8) ; v1(-51.8,109.4) v1(-51.2,109.4) ; v1(-51.8,110) v1(-51.2,110) ; v1(-51.8,110.6) C6P_3.1@-50,110.6 ; v1(-51.8,111.2) v1(-51.2,111.2) ; v1@-51.2,106.3 v1(-51.2,110) ; C6P_3.1@-50.2,110 v1(-51.2,110) ; v1@-49.8,11.2 -49.3,11.2 ; v1@-49.8,11.8 -48.9,11.8 ; v1@-49.8,12.4 -49.3,12.4 ; v1@-49.8,17.6 -49.3,17.6 ; v1@-49.8,18.2 -48.9,18.2 ; v1@-49.8,18.8 -49.3,18.8 ; v1@-49.8,31.2 -49.3,31.2 ; v1@-49.8,31.8 -48.9,31.8 ; v1@-49.8,32.4 -49.3,32.4 ; v1@-49.8,37.6 -49.3,37.6 ; v1@-49.8,38.2 -48.9,38.2 ; v1@-49.8,38.8 -49.3,38.8 ; v1@-49.8,51.199 -49.3,51.199 ; v1@-49.8,51.799 -48.9,51.799 ; v1@-49.8,52.399 -49.3,52.399 ; v1@-49.8,57.599 -49.3,57.599 ; v1@-49.8,58.199 -48.9,58.199 ; v1@-49.8,58.799 -49.3,58.799 ; v1@-49.8,71.2 v1@-49.3,71.2 ; v1@-49.8,71.8 -48.9,71.8 ; v1@-49.8,72.4 v1@-49.3,72.4 ; v1@-49.8,77.6 v1@-49.3,77.6 ; v1@-49.8,78.2 -48.9,78.2 ; v1@-49.8,78.8 v1@-49.3,78.8 ; v1(-46.5,91.1) v1(-45.9,91.1) L1P_4.2@-44.9,91.1 ; v1(-46.5,91.7) v1(-45.9,91.7) ; v1(-46.5,92.3) v1(-45.9,92.3) ; v1(-46.5,92.9) v1(-45.9,92.9) ; v1(-46.5,93.5) v1(-45.9,93.5) ; L1P_4.2@-44.7,93.5 -45.3,93.5 v1(-45.9,93.5) ; -43.5,87.9 -41.1,87.9 ; -43.5,89.1 -41.2,89.1 ; -43.4,88.5 v1@-42.5,88.5 ; v1(-42.4,88.5) -41.5,88.5 ; -41.1,11.8 v1@-40.2,11.8 ; -41.1,18.2 v1@-40.2,18.2 ; -41.1,31.8 v1@-40.2,31.8 ; -41.1,38.2 v1@-40.2,38.2 ; -41.1,51.8 v1@-40.2,51.8 ; -41.1,58.2 v1@-40.2,58.2 ; -41.1,71.8 v1@-40.2,71.8 ; -41.1,78.2 v1@-40.2,78.2 ; -40.7,11.2 v1@-40.2,11.2 ; -40.7,12.4 v1@-40.2,12.4 ; -40.7,17.6 v1@-40.2,17.6 ; -40.7,18.8 v1@-40.2,18.8 ; -40.7,31.2 v1@-40.2,31.2 ; -40.7,32.4 v1@-40.2,32.4 ; -40.7,37.6 v1@-40.2,37.6 ; -40.7,38.8 v1@-40.2,38.8 ; -40.7,51.2 v1@-40.2,51.2 ; -40.7,52.4 v1@-40.2,52.4 ; -40.7,57.6 v1@-40.2,57.6 ; -40.7,58.8 v1@-40.2,58.8 ; -40.7,71.2 v1@-40.2,71.2 ; -40.7,72.4 v1@-40.2,72.4 ; -40.7,77.6 v1@-40.2,77.6 ; -40.7,78.8 v1@-40.2,78.8 ; L1P_4.2@-40.1,91.15 -39.5,91.15 v1(-38.9,91.15) ; L1P_4.2@-39.9,93.55 v1(-38.9,93.55) v1(-38.3,93.55) ; v1(-38.3,91.15) v1(-38.9,91.15) ; v1(-38.3,91.75) v1(-38.9,91.75) ; v1(-38.3,92.35) v1(-38.9,92.35) ; v1(-38.3,92.95) v1(-38.9,92.95) ; v1(-38.3,106.4) v1(-37.7,106.4) ; v1(-38.3,107) v1(-37.7,107) ; v1(-38.3,107.6) v1(-37.7,107.6) ; v1(-38.3,108.2) -36.5,108.2 ; v1(-38.3,108.8) v1(-37.7,108.8) ; v1(-38.3,109.4) v1(-37.7,109.4) ; v1(-38.3,110) v1(-37.7,110) ; v1(-38.3,110.6) C7P_4.1@-36.5,110.6 ; v1(-38.3,111.2) v1(-37.7,111.2) ; v1@-37.7,106.3 v1(-37.7,110) ; C7P_4.1@-36.7,110 v1(-37.7,110) ; v1(-35.7,101.4) -35.2,101.4 ; v1(-35.7,102) -34.8,102 ; v1(-35.7,102.6) -35.2,102.6 ; v1@-29.8,11.2 -29.3,11.2 ; v1@-29.8,11.8 -28.9,11.8 ; v1@-29.8,12.4 -29.3,12.4 ; v1@-29.8,17.6 -29.3,17.6 ; v1@-29.8,18.2 -28.9,18.2 ; v1@-29.8,18.8 -29.3,18.8 ; v1@-29.8,31.2 -29.3,31.2 ; v1@-29.8,31.8 -28.9,31.8 ; v1@-29.8,32.4 -29.3,32.4 ; v1@-29.8,37.6 -29.3,37.6 ; v1@-29.8,38.2 -28.9,38.2 ; v1@-29.8,38.8 -29.3,38.8 ; v1@-29.8,51.2 -29.3,51.2 ; v1@-29.8,51.8 -28.9,51.8 ; v1@-29.8,52.4 -29.3,52.4 ; v1@-29.8,57.6 -29.3,57.6 ; v1@-29.8,58.2 -28.9,58.2 ; v1@-29.8,58.8 -29.3,58.8 ; v1@-29.8,71.199 -29.3,71.199 ; v1@-29.8,71.8 -28.9,71.8 ; v1@-29.8,72.399 -29.3,72.399 ; v1@-29.8,77.599 -29.3,77.599 ; v1@-29.8,78.2 -28.9,78.2 ; v1@-29.8,78.799 -29.3,78.799 ; v1(-29.8,102.95) R18.2@-29.8,103.75 ; -21.1,11.8 v1@-20.2,11.8 ; -21.1,18.2 v1@-20.2,18.2 ; -21.1,31.8 v1@-20.2,31.8 ; -21.1,38.2 v1@-20.2,38.2 ; -21.1,51.8 v1@-20.2,51.8 ; -21.1,58.2 v1@-20.2,58.2 ; -21.1,71.8 v1@-20.2,71.8 ; -21.1,78.2 v1@-20.2,78.2 ; -20.7,11.2 v1@-20.2,11.2 ; -20.7,12.4 v1@-20.2,12.4 ; -20.7,17.6 v1@-20.2,17.6 ; -20.7,18.8 v1@-20.2,18.8 ; -20.7,31.2 v1@-20.2,31.2 ; -20.7,32.4 v1@-20.2,32.4 ; -20.7,37.6 v1@-20.2,37.6 ; -20.7,38.8 v1@-20.2,38.8 ; -20.7,51.2 v1@-20.2,51.2 ; -20.7,52.4 v1@-20.2,52.4 ; -20.7,57.6 v1@-20.2,57.6 ; -20.7,58.8 v1@-20.2,58.8 ; v1@-20.7,71.2 v1@-20.2,71.2 ; v1@-20.7,72.4 v1@-20.2,72.4 ; v1@-20.7,77.6 v1@-20.2,77.6 ; v1@-20.7,78.8 v1@-20.2,78.8 ; v1(-86.4,91.7) v1(-86.4,92.3) ; v1(-86.4,91.7) v1(-86.4,90.5) v1(-87,90.5) v1(-87,94.1) v1(-86.4,94.1) v1(-86.4,93.5) ; v1(-86.4,92.3) v1(-86.4,92.9) ; v1(-86.4,92.9) v1(-86.4,93.5) ; v1(-79.4,91.15) v1(-79.4,90.55) v1(-78.8,90.55) v1(-78.8,94.15) v1(-79.4,94.15) v1(-79.4,92.95) ; v1(-79.4,91.15) v1(-79.4,91.75) ; v1(-79.4,91.75) v1(-79.4,92.35) ; v1(-79.4,92.35) v1(-79.4,92.95) ; v1(-72.9,91.7) v1(-72.9,90.5) v1(-73.5,90.5) v1(-73.5,94.1) v1(-72.9,94.1) v1(-72.9,93.5) ; v1(-72.9,91.7) v1(-72.9,92.3) ; v1(-72.9,92.3) v1(-72.9,92.9) ; v1(-72.9,92.9) v1(-72.9,93.5) ; v1(-65.9,91.15) v1(-65.9,91.75) ; v1(-65.9,91.15) v1(-65.9,90.55) v1(-65.3,90.55) v1(-65.3,94.15) v1(-65.9,94.15) v1(-65.9,92.95) ; v1(-65.9,91.75) v1(-65.9,92.35) ; v1(-65.9,92.35) v1(-65.9,92.95) ; v1(-59.4,91.7) v1(-59.4,90.5) v1(-60,90.5) v1(-60,94.1) v1(-59.4,94.1) v1(-59.4,93.5) ; v1(-59.4,91.7) v1(-59.4,92.3) ; v1(-59.4,92.3) v1(-59.4,92.9) ; v1(-59.4,92.9) v1(-59.4,93.5) ; v1(-52.4,91.15) v1(-52.4,91.75) ; v1(-52.4,91.15) v1(-52.4,90.55) v1(-51.8,90.55) v1(-51.8,94.15) v1(-52.4,94.15) v1(-52.4,92.95) ; v1(-52.4,91.75) v1(-52.4,92.35) ; v1(-52.4,92.35) v1(-52.4,92.95) ; v1(-45.9,91.7) v1(-45.9,92.3) ; v1(-45.9,91.7) v1(-45.9,90.5) v1(-46.5,90.5) v1(-46.5,94.1) v1(-45.9,94.1) v1(-45.9,93.5) ; v1(-45.9,92.3) v1(-45.9,92.9) ; v1(-45.9,92.9) v1(-45.9,93.5) ; v1(-38.9,91.15) v1(-38.9,90.55) v1(-38.3,90.55) v1(-38.3,94.15) v1(-38.9,94.15) v1(-38.9,92.95) ; v1(-38.9,91.15) v1(-38.9,91.75) ; v1(-38.9,91.75) v1(-38.9,92.35) ; v1(-38.9,92.35) v1(-38.9,92.95)